# Altium PCB 202101904XB(公开).PcbDoc (part 5 of 6)
Units mil, origin at the board's own origin, x right, y up, seen from the top; angles counter-clockwise.
Board outline 5834.66 x 3390.86 mil, 10 copper layers (Top, GND_02, sig_03, GND04, sig_05, PWR06, GND07, sig_08, GND09, Bottom); 610 components, 281 nets, 2214 pads, 1000 vias.
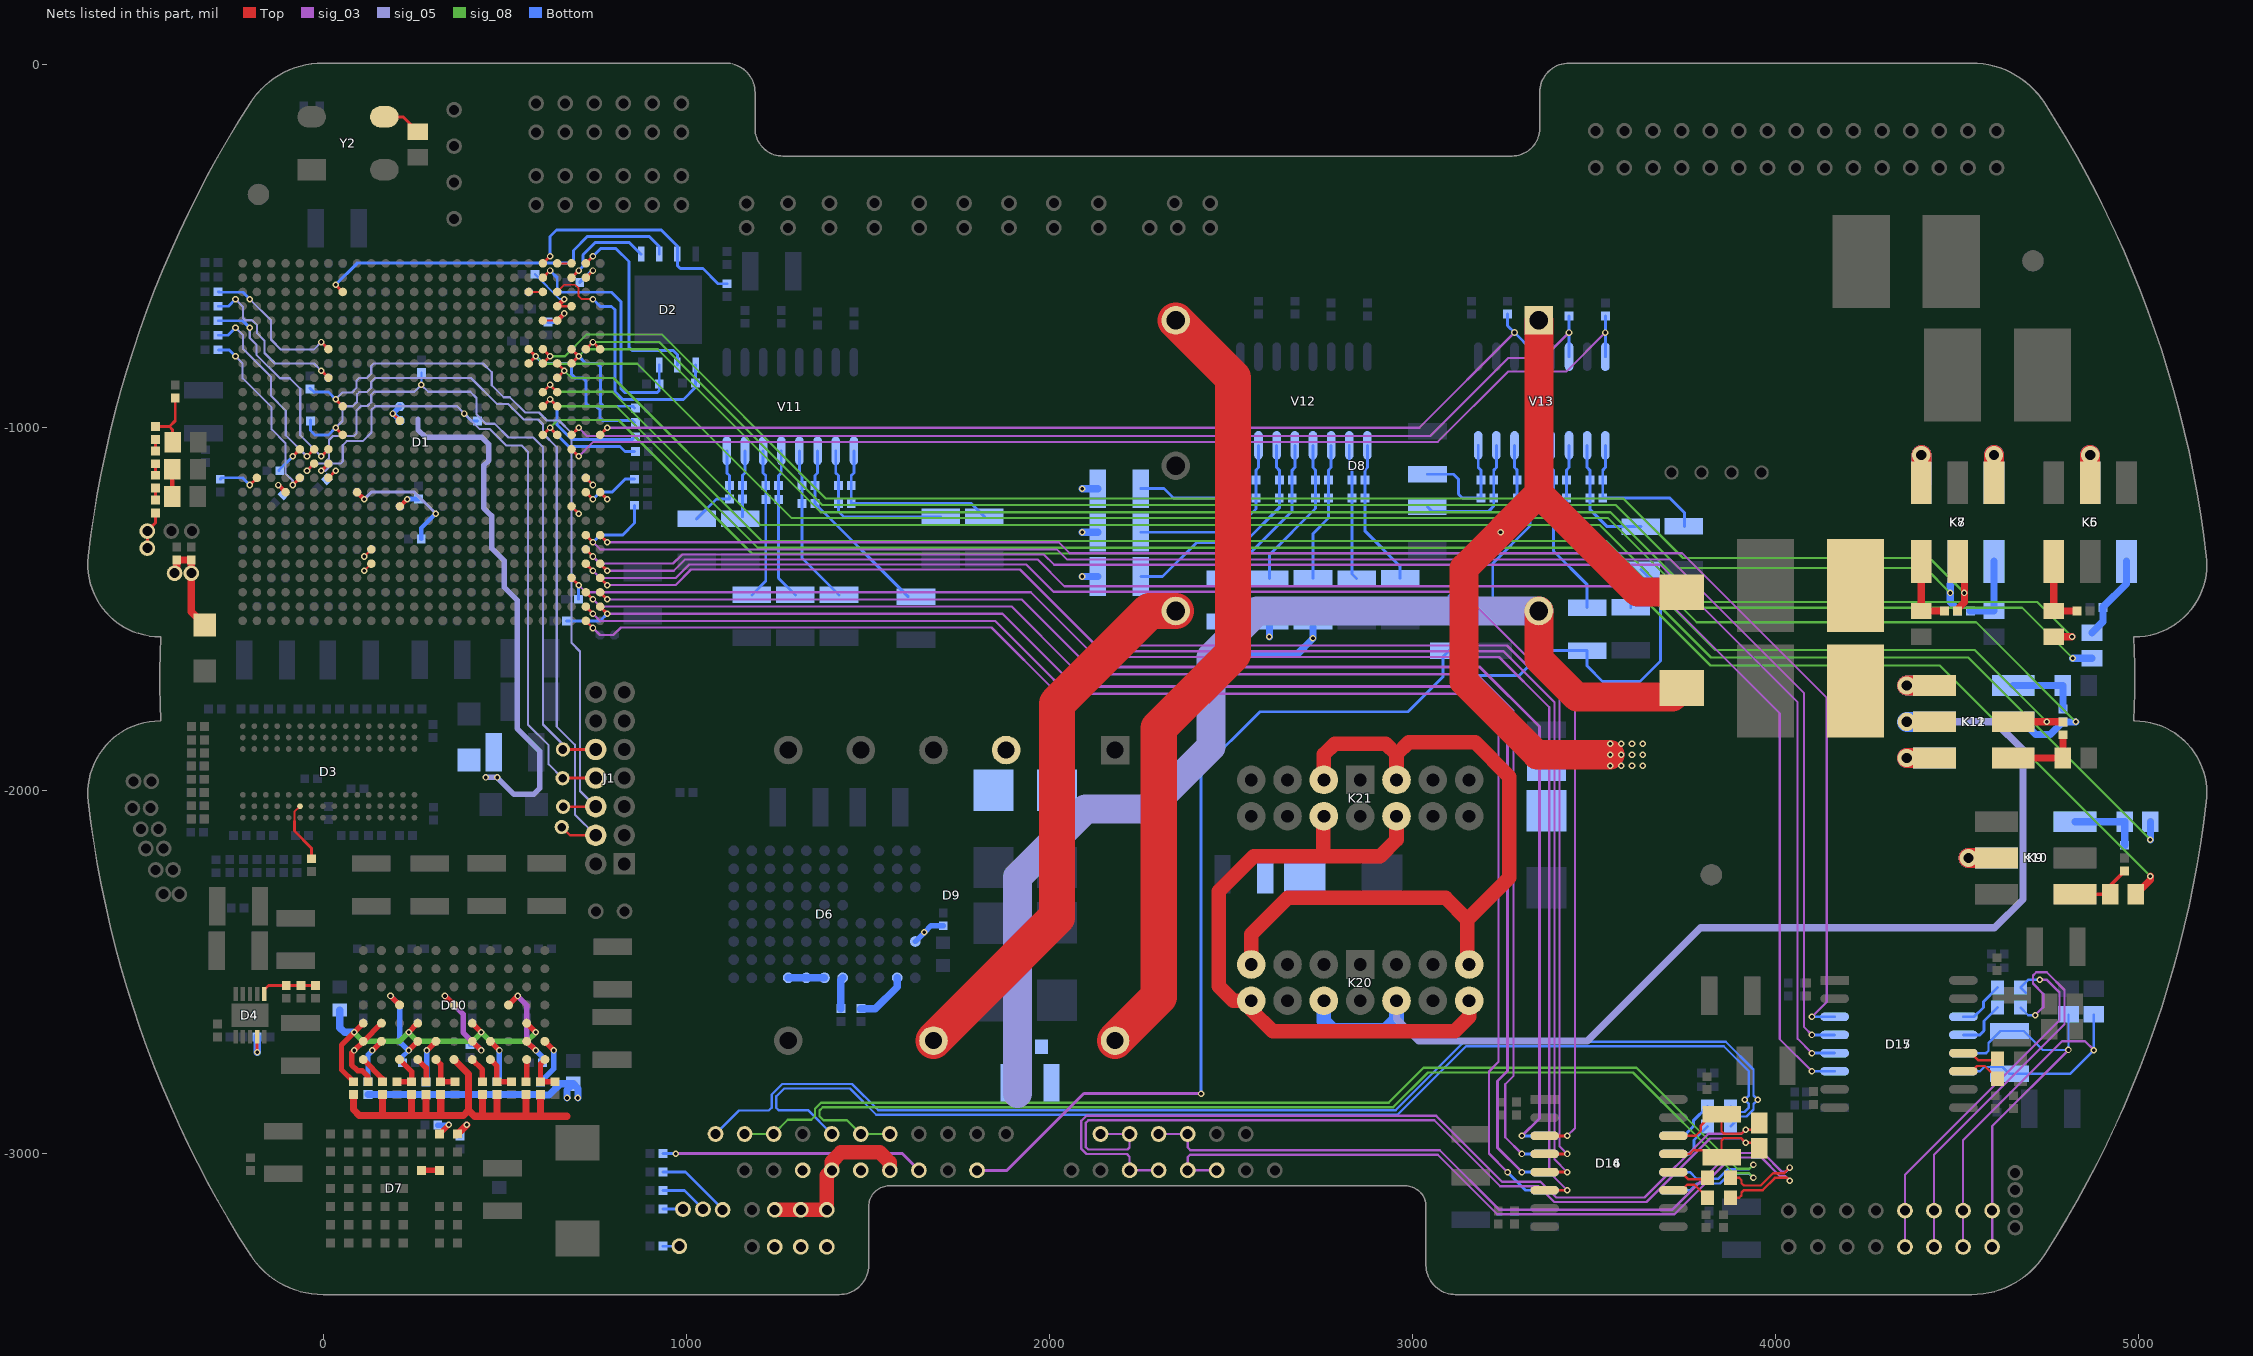
[diagram p13: the nets of this part, all layers, seen from the top]

## Via types
v1: diameter 18, hole 10, Top to Bottom, tented both sides, 880 vias
v2: diameter 16, hole 8, Top to Bottom, tented both sides, 91 vias
v3: diameter 50, hole 28, Top to Bottom, tented both sides, 22 vias
v4: diameter 24, hole 12, Top to Bottom, tented both sides, 5 vias
v5: diameter 40, hole 40, Top to Bottom, 2 vias

## Nets (pads, with @x,y where several pads share a name; then routed paths per layer and width w, separated by ;. In a path a pad name is that pad's centre, name@x,y a point inside that pad or via, vN(x,y) a via of type N, cw(c..) or ccw(c..) an arc to the next point about the centre after c; other vN are vias at no path point) (continued)
JS1-H1: D1.G21 D1.H21 R55.2 R219.1 | length 5094.3
  Top w8: D1.H21@565.86,-824.6 v1(585.54,-804.91) D1.G21@565.86,-785.23
  sig_08 w6: v1(585.54,-804.91) 606.05,-825.42 865.42,-825.42 1290.42,-1250.42 3538.33,-1250.42 3785.33,-1497.42 4678.18,-1497.42 v1(4817.33,-1636.57)
  Bottom w8: v1(585.54,-804.91) 605.05,-824.42 675.33,-824.42 684.33,-833.42 684.33,-854.42 694.33,-864.42 715.33,-864.42 723.33,-872.42 723.33,-934.42 731.33,-942.42 752.33,-942.42 762.33,-952.42 762.33,-974.42 769.33,-981.42 851.81,-981.42 R219.1@857.62,-987.23
  Bottom w20: v1(4817.33,-1636.57) R55.2@4870.58,-1636.57
JS1-H2: D1.G24 D1.H24 R56.1 R222.1 | length 4825.6
  Top w8: D1.H24@683.97,-824.6 v1(703.65,-804.92) D1.G24@683.97,-785.23
  Top w20: R56.1@4765.58,-1577 v1(4815.58,-1577)
  sig_08 w6: v1(703.65,-804.92) 723.15,-785.42 921.42,-785.42 1370.42,-1234.42 3544.96,-1234.42 3791.96,-1481.42 4720,-1481.42 v1(4815.58,-1577)
  Bottom w8: v1(703.65,-804.92) 723.15,-824.42 755.33,-824.42 763.33,-832.42 763.33,-933.42 772.33,-942.42 852.81,-942.42 R222.1@857.62,-947.23
JS1-L1: C157.2 D1.G25 D1.G26 K7.2 | length 4233.1
  Top w8: D1.G25@723.34,-785.23 v1(743.02,-765.55) D1.G26@762.71,-785.23
  sig_08 w6: v1(743.02,-765.55) 925.55,-765.55 1374.42,-1214.42 3559.58,-1214.42 3732.98,-1387.82 4411.98,-1387.82 v1(4480.58,-1456.42)
  Bottom w20: C157.2@4500.58,-1505.71 C157.2@4500.16,-1506.14 4500.15,-1501.14 4480.58,-1481.57 v1(4480.58,-1456.42) 4480.58,-1432.16 4500.58,-1412.16 K7.2@4500.58,-1369.41
JS1-L2: C158.2 D1.G22 D1.H22 K8.2 | length 4423.1
  Top w8: D1.H22@605.23,-824.6 v1(624.91,-804.91) D1.G22@605.23,-785.23
  Top w20: C158.2@4500.58,-1505.71 C158.2@4500.16,-1506.14 4500.15,-1501.14 4519.33,-1481.96 v1(4519.33,-1456.42) 4519.33,-1420.42 4500.58,-1401.67 K8.2@4500.58,-1369.41
  sig_08 w6: v1(624.91,-804.91) 665.84,-804.91 726.33,-744.42 932.42,-744.42 1384.42,-1196.42 3580.33,-1196.42 3744.33,-1360.42 4423.33,-1360.42 v1(4519.33,-1456.42)
JS2: K11.5 K12.5 K20.30 K20.40 R253.2 R254.2 | length 3131.1
  sig_05 w20: K20.30@2955.58,-2579.37 2955.58,-2628.58 3017,-2690 3481,-2690 3792.58,-2378.42 4602.33,-2378.42 4680.33,-2300.42 4680.33,-1888.42 4603.05,-1811.14 v3(4360.58,-1811.14)
  Bottom w40: K20.40@2755.58,-2579.37 2755.58,-2635.42 2780.58,-2660.42 2925.58,-2660.42 2955.58,-2630.42 K20.30@2955.58,-2579.37
  Bottom w55: v3(4360.58,-1811.14) K11.5@4437.32,-1811.14
JS2-H1: D1.L22 D1.L23 R59.2 R220.1 | length 5325.6
  Top w8: D1.L22@605.23,-942.71 v1(624.91,-923.03) ; v1(624.91,-923.03) D1.L23@644.6,-942.71
  sig_08 w6: v1(624.91,-923.03) 644.3,-942.42 807.42,-942.42 1197,-1332 3518.9,-1332 3821.27,-1634.37 4529.67,-1634.37 v1(5031.45,-2136.14)
  Bottom w8: v1(624.91,-923.03) 644.33,-942.45 644.33,-993.42 684.33,-1033.42 851.43,-1033.42 R220.1@857.62,-1027.23
  Bottom w20: v1(5031.45,-2136.14) R59.2@5031.46,-2086.14
JS2-H2: D1.N22 D1.N23 R60.1 R223.1 | length 5317.4
  Top w8: D1.N22@605.23,-1021.45 v1(624.91,-1001.77) ; v1(624.91,-1001.77) D1.N23@644.6,-1021.45
  Top w20: R60.1@4991.43,-2286 5031.45,-2245.99 v1(5031.45,-2236.14)
  sig_08 w6: v1(624.91,-1001.77) 646.26,-980.42 813.42,-980.42 1181,-1348 3511.9,-1348 3820.33,-1656.43 4451.73,-1656.43 v1(5031.45,-2236.14)
  Bottom w8: v1(624.91,-1001.77) 676.56,-1053.42 817.33,-1053.42 831.14,-1067.23 R223.1@857.62,-1067.23
JS2-L1: C161.2 D1.H23 D1.J23 K11.2 | length 4819.1
  Top w8: D1.J23@644.6,-863.97 v1(664.28,-844.28) D1.H23@644.6,-824.6
  sig_08 w6: v1(664.28,-844.28) 684.42,-864.42 799.42,-864.42 1204,-1269 3514.36,-1269 3782.48,-1537.12 4551.56,-1537.12 v1(4826.02,-1811.57)
  Bottom w20: K11.2@4653.85,-1811.14 4680.58,-1811.14 4715.58,-1846.14 4756.02,-1846.14 C161.2@4790.58,-1811.57 v1(4826.02,-1811.57)
JS2-L2: C162.2 D1.K22 D1.K23 K12.2 | length 4697.4
  Top w8: D1.K22@605.23,-903.34 v1(624.91,-883.66) ; v1(624.91,-883.66) D1.K23@644.6,-903.34
  Top w20: K12.2@4653.85,-1811.14 v1(4745.58,-1811.14) 4790.15,-1811.14 C162.2@4790.58,-1811.57
  sig_08 w6: v1(624.91,-883.66) 643.67,-902.42 796.42,-902.42 1207,-1313 3532.9,-1313 3833.27,-1613.37 4547.8,-1613.37 v1(4745.58,-1811.14)
KZ422-A: D14.14 XJH18.1 XJH19.1 | length 3208.4
  sig_08 w6.5: XJH18.1@1560.58,-2946.14 XJH19.1@1480.58,-2946.14 1442.64,-2908.19 1377.94,-2908.19 1366.83,-2897.09 1366.83,-2881.87 1375.95,-2872.76 2946.24,-2872.76 3042,-2777 3607,-2777 3884.23,-3054.23 3926.07,-3054.23 3938.49,-3066.65 v1(3938.49,-3066.76)
  Bottom w6.5: D14.14@3717.75,-3101.14 3763.47,-3101.14 3782.22,-3082.39 3846.04,-3082.39 3872.51,-3055.92 3927.65,-3055.92 v1(3938.49,-3066.76)
KZ422-B: D14.13 XJH22.1 XJH23.1 | length 3229.7
  sig_08 w6.5: XJH23.1@1160.58,-2946.14 XJH22.1@1240.58,-2946.14 1279.55,-2907.17 1344.25,-2907.17 1354.33,-2897.09 1354.33,-2876.7 1370.77,-2860.26 2933.74,-2860.26 3030,-2764 3616,-2764 3893.73,-3041.73 3927.34,-3041.73 v1(3938.49,-3030.58)
  Bottom w6.5: D14.13@3717.75,-3051.14 3763.47,-3051.14 3782.22,-3069.89 3840.86,-3069.89 3867.33,-3043.42 3925.65,-3043.42 v1(3938.49,-3030.58)
KZ422-DE: D1.AE26 D14.5 R215.1 | length 4065.7
  Top w8: D1.AE26@762.71,-1493.9 v1(782.39,-1513.57)
  sig_03 w6: v1(782.39,-1513.57) 1870.57,-1513.57 2037.33,-1680.33 3177.33,-1680.33 3278,-1781 3278,-2786 3255,-2809 3255,-2955.18 v1(3300.97,-3001.14)
  Bottom w8: R215.1@670.33,-1533.42 762.54,-1533.42 v1(782.39,-1513.57) ; v1(3300.97,-3001.14) D14.5@3363.42,-3001.14
KZ422-R\E\: D1.AE25 D14.4 | length 4011.7
  Top w8: D1.AE25@723.34,-1493.9 v1(743.02,-1513.57)
  sig_03 w6: v1(743.02,-1513.57) 762.87,-1533.42 1850.42,-1533.42 2012.33,-1695.33
  sig_03 w8: 2012.33,-1695.33 2031,-1714 3166,-1714 3261,-1809 3261,-2773 3234,-2800 3234,-2984.18 v1(3300.97,-3051.14)
  Bottom w8: v1(3300.97,-3051.14) D14.4@3363.42,-3051.14
KZ422-RXD: D1.AF25 D14.3 | length 4028.5
  Top w8: D1.AF25@723.34,-1533.27 v1(743.02,-1552.94)
  sig_03 w6: v1(743.02,-1552.94) 762.5,-1572.42 799.33,-1572.42 820.33,-1551.42 1840.42,-1551.42 2023,-1734 3139,-1734 3236,-1831 3236,-2748 3210,-2774 3210,-3000.1 v1(3261.33,-3051.42)
  Bottom w8: v1(3261.33,-3051.42) 3311.05,-3101.14 D14.3@3363.42,-3101.14
KZ422-TXD: D1.AD25 D14.6 | length 3988.2
  Top w8: D1.AD25@723.34,-1454.53 v1(743.02,-1474.2)
  sig_03 w6: v1(743.02,-1474.2) 762.24,-1493.42 1895.42,-1493.42 2062.83,-1660.83
  sig_03 w8: 2062.83,-1660.83 3185.83,-1660.83 3349,-1824 3349,-2903.11 v1(3300.97,-2951.14)
  Bottom w8: v1(3300.97,-2951.14) D14.6@3363.42,-2951.14
KZ422-Y: R14.2 XJH20.1 | length 3209.4
  Bottom w6.5: XJH20.1@1400.58,-2946.14 1334.86,-2880.42 1254.33,-2880.42 1247.83,-2873.92 1247.83,-2842.6 1269.51,-2820.92 1451.15,-2820.92 1523.22,-2893 2958.43,-2893 3146.86,-2704.57 3856.79,-2704.57 3925.86,-2773.63 3925.86,-2840.21 v1(3914.02,-2852.05) 3925.86,-2863.89 3925.86,-2873.64 3913.86,-2885.64 3890.36,-2885.64 R14.2@3875.12,-2870.39
KZ422-Z: R13.2 XJH24.1 | length 3278.2
  Bottom w6.5: XJH24.1@1080.58,-2946.14 1145.3,-2881.42 1227.33,-2881.42 1235.33,-2873.42 1235.33,-2837.42 1264.33,-2808.42 1456.33,-2808.42 1528.4,-2880.5 2953.25,-2880.5 3141.68,-2692.07 3861.97,-2692.07 3938.36,-2768.45 3938.36,-2840.21 v1(3950.2,-2852.05) 3938.36,-2863.89 3938.36,-2878.82 3919.04,-2898.14 3902.36,-2898.14 R13.2@3875.12,-2925.39
KZGD+: D8.1 R166.1 R167.1 R168.1 V15.2 X4-54.1 X4-55.1 X4-73.1 XJH4.1 XJH8.1 | length 2969.4
  Top w40: X4-54.1@1243.5,-3155 X4-55.1@1315.25,-3155 X4-73.1@1387,-3155 1387,-3059.72 XJH8.1@1400.58,-3046.14 1400.58,-3022.42 1426,-2997 1533,-2997 1560.58,-3024.58 XJH4.1@1560.58,-3046.14
  Top w80: D8.1@3347.58,-706.02 3347.58,-1182.67 ; v1(3544,-1902) 3343,-1902 3141.76,-1700.76 3141.76,-1388.49 3347.58,-1182.67 ; V15.2@3740.58,-1454.25 3619.16,-1454.25 3347.58,-1182.67
  Bottom w20: v1(2090.15,-1289.17) R168.1@2133.35,-1289.17 ; R167.1@2485.58,-1535.08 2485.58,-1581.58 2529,-1625 2682.17,-1625 v1(2725.58,-1581.58) R166.1@2725.58,-1534.14
  other v1: 3544,-1932 3574,-1932 3604,-1932 3634,-1932 3574,-1902 3604,-1902 3634,-1902 3544,-1872 3574,-1872 3604,-1872 3634,-1872 3242,-1289
KZGD-: D8.5 R179.1 R180.1 R181.1 V15.1 X4-70.1 X4-71.1 X4-72.1 XJH5.1 XJH9.1 | length 3187.5
  Top w80: D8.5@3347.58,-1506.02 3347.58,-1638.48 3452.09,-1743 3715.61,-1743 V15.1@3740.58,-1718.03
  sig_05 w80: 1912.33,-2835 1912.33,-2238.42 2099.33,-2051.42 2273.33,-2051.42 2444.33,-1880.42 2444.33,-1633.42 2571.73,-1506.02 D8.5@3347.58,-1506.02
  Bottom w20: v1(2090.33,-1411.14) R180.1@2133.53,-1411.14 ; v1(2090.33,-1169.17) R181.1@2133.35,-1169.17 ; v1(2605.58,-1577.42) R179.1@2605.58,-1535.08
NetC48_2: C48.2 C104.2 GZGD1+.1 GZGD2+.1 L3.1 | length 264.9
  Top w20: GZGD2+.1@-403,-1396 C104.2@-403,-1365.72 C48.2@-363,-1365.72 GZGD1+.1@-363,-1402 -363,-1508.02 L3.1@-326,-1545.02
NetC49_1: C49.1 D10.A6 | length 137.8
  Top w15: D10.A6@610.58,-2691.14 v1(635.58,-2716.14)
  Bottom w15: C49.1@598.64,-2803.27 635.58,-2766.33 v1(635.58,-2716.14)
NetC50_1: C50.1 D10.D6 | length 124.4
  Top w15: D10.D6@460.58,-2691.14 v1(485.58,-2716.14)
  Bottom w15: C50.1@478.64,-2802.28 485.58,-2795.35 v1(485.58,-2716.14)
NetC51_1: C51.1 D10.G6 | length 123.3
  Top w15: v1(285.58,-2716.14) D10.G6@310.58,-2691.14
  Bottom w15: C51.1@283.64,-2803.27 285.58,-2801.33 v1(285.58,-2716.14)
NetC52_1: C52.1 D10.K6 | length 126.4
  Top w15: v1(135.58,-2716.14) D10.K6@160.58,-2691.14
  Bottom w15: C52.1@123.64,-2802.28 123.64,-2728.08 v1(135.58,-2716.14)
NetC105_1: C105.1 R78.1 R174.2 V11.2 | length 509.5
  Bottom w8: V11.2@1411.58,-1065.12 1411.58,-1126.1 1418.91,-1133.43 C105.1@1418.91,-1210.26 1418.91,-1231.91 1433.96,-1246.96 R174.2@1700.58,-1246.96 R174.2@1648.88,-1246.97
NetC105_2: C105.2 R78.2 R161.2 V11.1 | length 529.2
  Bottom w8: V11.1@1461.58,-1065.12 1461.58,-1126.19 1454.34,-1133.43 C105.2@1454.34,-1210.26 1784.82,-1210.26 R161.2@1820.58,-1246.02
NetC106_1: C106.1 R79.1 R175.2 V11.4 | length 442
  Bottom w8: V11.4@1311.58,-1065.12 1311.58,-1126.1 1318.91,-1133.43 C106.1@1318.9,-1210.27 1318.9,-1360.28 R175.2@1420.58,-1461.96
NetC106_2: C106.2 R79.2 R162.2 V11.3 | length 511.3
  Bottom w8: V11.3@1361.58,-1065.12 1361.58,-1126.19 1354.34,-1133.43 C106.2@1354.33,-1210.27 R162.2@1611.08,-1467.02
NetC107_1: C107.1 R80.1 R176.2 V11.6 | length 415.8
  Bottom w8: R176.2@1180.58,-1461.96 1218.9,-1423.65 1218.9,-1210.27 1218.91,-1133.43 1211.58,-1126.1 V11.6@1211.58,-1065.12
NetC107_2: C107.2 R80.2 R163.2 V11.5 | length 419
  Bottom w8: V11.5@1261.58,-1065.12 1261.58,-1126.19 1254.34,-1133.43 1254.34,-1210.26 1254.33,-1415.71 R163.2@1300.58,-1461.96
NetC108_1: C108.1 R81.1 R177.2 V11.8 | length 248.7
  Bottom w8: R177.2@1028.62,-1252.27 1082.9,-1198 1118.91,-1198 1118.91,-1133.43 1111.58,-1126.1 V11.8@1111.58,-1065.12
NetC108_2: C108.2 R81.2 R164.2 V11.7 | length 184.4
  Bottom w8: R164.2@1154.34,-1246.56 1154.34,-1210.26 1154.34,-1133.43 1161.58,-1126.19 V11.7@1161.58,-1065.12
NetC141_1: C141.1 R82.1 R178.2 V12.2 | length 375.2
  Bottom w8: V12.2@2825.58,-1050.12 2825.58,-1111.1 2832.91,-1118.43 R82.1@2832.92,-1145.27 C141.1@2832.9,-1195.27 2832.9,-1404.29 R178.2@2845.58,-1416.96
NetC141_2: C141.2 R82.2 R165.2 V12.1 | length 409.2
  Bottom w8: V12.1@2875.58,-1050.12 2875.58,-1111.19 2868.34,-1118.43 R82.2@2868.35,-1145.27 C141.2@2868.33,-1195.27 2868.33,-1285.41 2965.58,-1382.66 R165.2@2965.58,-1416.02
NetC142_1: C142.1 R83.1 R179.2 V12.4 | length 422.6
  Bottom w8: R179.2@2605.58,-1416.96 2605.58,-1351.17 2732.9,-1223.85 C142.1@2732.9,-1195.27 R83.1@2732.92,-1145.27 2732.91,-1118.43 2725.58,-1111.1 V12.4@2725.58,-1050.12
NetC142_2: C142.2 R83.2 R166.2 V12.3 | length 386.6
  Bottom w8: R166.2@2725.58,-1416.02 2725.58,-1293.17 2768.33,-1250.42 C142.2@2768.33,-1195.27 R83.2@2768.35,-1145.27 2768.34,-1118.43 2775.58,-1111.19 V12.3@2775.58,-1050.12
NetC143_1: C143.1 R84.1 R180.2 V12.6 | length 634.4
  Bottom w8: R180.2@2251.64,-1411.14 2311.61,-1411.14 2405.33,-1317.42 2537.33,-1317.42 2632.9,-1221.85 C143.1@2632.9,-1195.27 R84.1@2632.92,-1145.27 2632.91,-1118.43 2625.58,-1111.1 V12.6@2625.58,-1050.12
NetC143_2: C143.2 R84.2 R167.2 V12.5 | length 469.6
  Bottom w8: R167.2@2485.58,-1416.96 2485.58,-1372.17 2505.33,-1352.42 2546.33,-1352.42 2668.33,-1230.42 C143.2@2668.33,-1195.27 R84.2@2668.35,-1145.27 2668.34,-1118.43 2675.58,-1111.19 V12.5@2675.58,-1050.12
NetC144_1: C144.1 R85.1 R181.2 V12.8 | length 440.5
  Bottom w8: R181.2@2251.46,-1169.17 2315.08,-1169.17 2341.18,-1195.27 C144.1@2532.91,-1195.27 R85.1@2532.91,-1145.27 2532.91,-1118.43 2525.58,-1111.1 V12.8@2525.58,-1050.12
NetC144_2: C144.2 R85.2 R168.2 V12.7 | length 521.6
  Bottom w8: R168.2@2251.46,-1289.17 2504.58,-1289.17 2568.33,-1225.42 C144.2@2568.34,-1195.27 R85.2@2568.34,-1145.27 2568.34,-1118.43 2575.58,-1111.19 V12.7@2575.58,-1050.12
NetC145_1: C145.1 R86.1 R182.2 V13.2 | length 339.5
  Bottom w8: V13.2@3480.58,-1050.12 3480.58,-1111.1 3487.91,-1118.43 R86.1@3487.92,-1145.27 C145.1@3487.9,-1195.27 3487.9,-1225.99 3535.88,-1273.97 R182.2@3628.58,-1273.96
NetC145_2: C145.2 R86.2 R169.2 V13.1 | length 427.5
  Bottom w8: V13.1@3530.58,-1050.12 3530.58,-1111.19 3523.34,-1118.43 R86.2@3523.35,-1145.27 C145.2@3523.33,-1195.27 3708.18,-1195.27 3748.58,-1235.67 R169.2@3748.58,-1273.02
NetC146_1: C146.1 R87.1 R183.2 V13.4 | length 488.3
  Bottom w8: V13.4@3380.58,-1050.12 3380.58,-1111.1 3387.91,-1118.43 R87.1@3387.92,-1145.27 C146.1@3387.9,-1195.27 3387.9,-1340.99 3480.58,-1433.67 R183.2@3480.58,-1496.96
NetC146_2: C146.2 R87.2 R170.2 V13.3 | length 522.3
  Bottom w8: V13.3@3430.58,-1050.12 3430.58,-1111.19 3423.34,-1118.43 R87.2@3423.35,-1145.27 C146.2@3423.33,-1195.27 3423.33,-1300.42 3600.58,-1477.67 R170.2@3600.58,-1496.02
NetC147_1: C147.1 R88.1 R184.2 V13.6 | length 527.5
  Bottom w8: R184.2@3100.58,-1496.96 3100.58,-1465.42 3287.9,-1278.1 C147.1@3287.9,-1195.27 3287.91,-1118.43 3280.58,-1111.1 V13.6@3280.58,-1050.12
NetC147_2: C147.2 R88.2 R171.2 V13.5 | length 492.4
  Bottom w8: R171.2@3220.58,-1496.96 3220.58,-1375.17 3323.33,-1272.42 C147.2@3323.33,-1195.27 R88.2@3323.35,-1145.27 3323.34,-1118.43 3330.58,-1111.19 V13.5@3330.58,-1050.12
NetC148_1: C148.1 R89.1 R185.2 V13.8 | length 346.3
  Bottom w8: R185.2@3041.04,-1129.57 3112.48,-1129.57 3126.33,-1143.42 3126.33,-1184.42 3137.18,-1195.27 C148.1@3187.91,-1195.27 R89.1@3187.91,-1145.27 3187.91,-1118.43 3180.58,-1111.1 V13.8@3180.58,-1050.12
NetC148_2: C148.2 R89.2 R172.2 V13.7 | length 363.9
  Bottom w8: R172.2@3040.62,-1219.27 3052.77,-1231.42 3209.33,-1231.42 3223.33,-1217.42 C148.2@3223.34,-1195.27 R89.2@3223.34,-1145.27 3223.34,-1118.43 3230.58,-1111.19 V13.7@3230.58,-1050.12
NetC155_1: C155.1 K5.1 R55.1 | length 235.6
  Bottom w20: R55.1@4870.58,-1565.71 4900.58,-1535.7 4900.58,-1496.14 4965.58,-1431.14 K5.1@4965.58,-1369.41
NetC156_1: C156.1 K6.1 R56.2 | length 200.9
  Top w20: K6.1@4765.58,-1369.41 R56.2@4765.58,-1506.14 C156.1@4829.73,-1506.14
NetC157_1: C157.1 K7.1 R57.1 | length 201.7
  Bottom w20: C157.1@4535.58,-1506.14 R57.1@4600.58,-1506.14 K7.1@4600.58,-1369.41
NetC158_1: C158.1 K8.1 R58.2 | length 200.9
  Top w20: K8.1@4400.58,-1369.41 R58.2@4400.58,-1506.14 C158.1@4464.73,-1506.14
NetC159_1: C159.1 K9.1 R59.1 | length 201.7
  Bottom w20: K9.1@4823.85,-2086.14 4960.58,-2086.14 C159.1@4960.58,-2151.13
NetC160_1: C160.1 K10.1 R60.2 | length 177.1
  Top w10: K10.1@4823.99,-2286 R60.2@4920.57,-2286 4920.57,-2262.02 C160.1@4960.58,-2222.01
NetC161_1: C161.1 K11.1 R61.1 | length 201.7
  Bottom w20: K11.1@4653.85,-1711.14 4790.58,-1711.14 C161.1@4790.58,-1776.13
NetC162_1: C162.1 K12.1 R62.2 | length 200.9
  Top w20: K12.1@4653.85,-1911.14 4790.58,-1911.14 C162.1@4790.58,-1847.01
NetC191_2: C191.2 D4.1 R244.2 R245.2 | length 157.4
  Top w8: D4.1@-161.97,-2560.62 -161.97,-2548.71 -150.22,-2536.96 C191.2@-101.34,-2536.96 R245.2@-61.34,-2536.96 R244.2@-21.34,-2536.96
NetC271_1: C271.1 C401.1 D8.4 D9.7 | length 1501.3
  Top w100: D9.7@1680.64,-2689 2020.58,-2349.07 2020.58,-1761.14 2275.7,-1506.02 D8.4@2347.58,-1506.02
NetC271_2: C271.2 C401.2 D8.2 D9.8 | length 2183
  Top w100: D9.8@2180.64,-2689 2300.58,-2569.07 2300.58,-1829.16 2505.58,-1624.16 2505.58,-864.02 D8.2@2347.58,-706.02
NetC301_1: C301.1 D10.A7 R261.2 | length 106.1
  Top w15: D10.A7@610.58,-2741.14 598.64,-2753.08 R261.2@598.64,-2802.28 C301.1@638.64,-2802.28
NetC302_2: C302.2 D10.B7 | length 61.9
  Top w15: C302.2@558.64,-2802.28 560.58,-2800.34 D10.B7@560.58,-2741.14
NetC303_2: C303.2 D10.D7 R264.2 | length 108.6
  Top w15: D10.D7@460.58,-2741.14 478.64,-2759.21 R264.2@478.64,-2802.28 C303.2@518.64,-2802.28
NetC304_2: C304.2 D10.E7 | length 72.8
  Top w15: D10.E7@410.58,-2741.14 438.64,-2769.21 C304.2@438.64,-2802.28
NetC305_2: C305.2 D10.G7 R263.2 | length 106.6
  Top w15: D10.G7@310.58,-2741.14 323.64,-2754.2 R263.2@323.64,-2802.28 C305.2@363.64,-2802.28
NetC306_2: C306.2 D10.H7 | length 70.7
  Top w15: D10.H7@260.58,-2741.14 283.64,-2764.2 C306.2@283.64,-2802.28
NetC307_2: C307.2 D10.J7 R262.2 | length 114.8
  Top w15: C307.2@203.64,-2802.28 R262.2@243.64,-2802.28 243.64,-2774.2 D10.J7@210.58,-2741.14